# Altium PCB DAC_Sources_REV2.PcbDoc (part 9 of 9)
Units mil, origin at the board's own origin, x right, y up, seen from the top; angles counter-clockwise.
Board outline 10905.51 x 5393.7 mil, 8 copper layers (Top Layer, GND_02, SIG_03, PWR_04, PWR_05, SIG_06, GND_07, Bottom Layer), stack 65.69 mil thick; 663 components, 464 nets, 2338 pads, 2140 vias.
Unrouted connection lines stored in the file: 515.
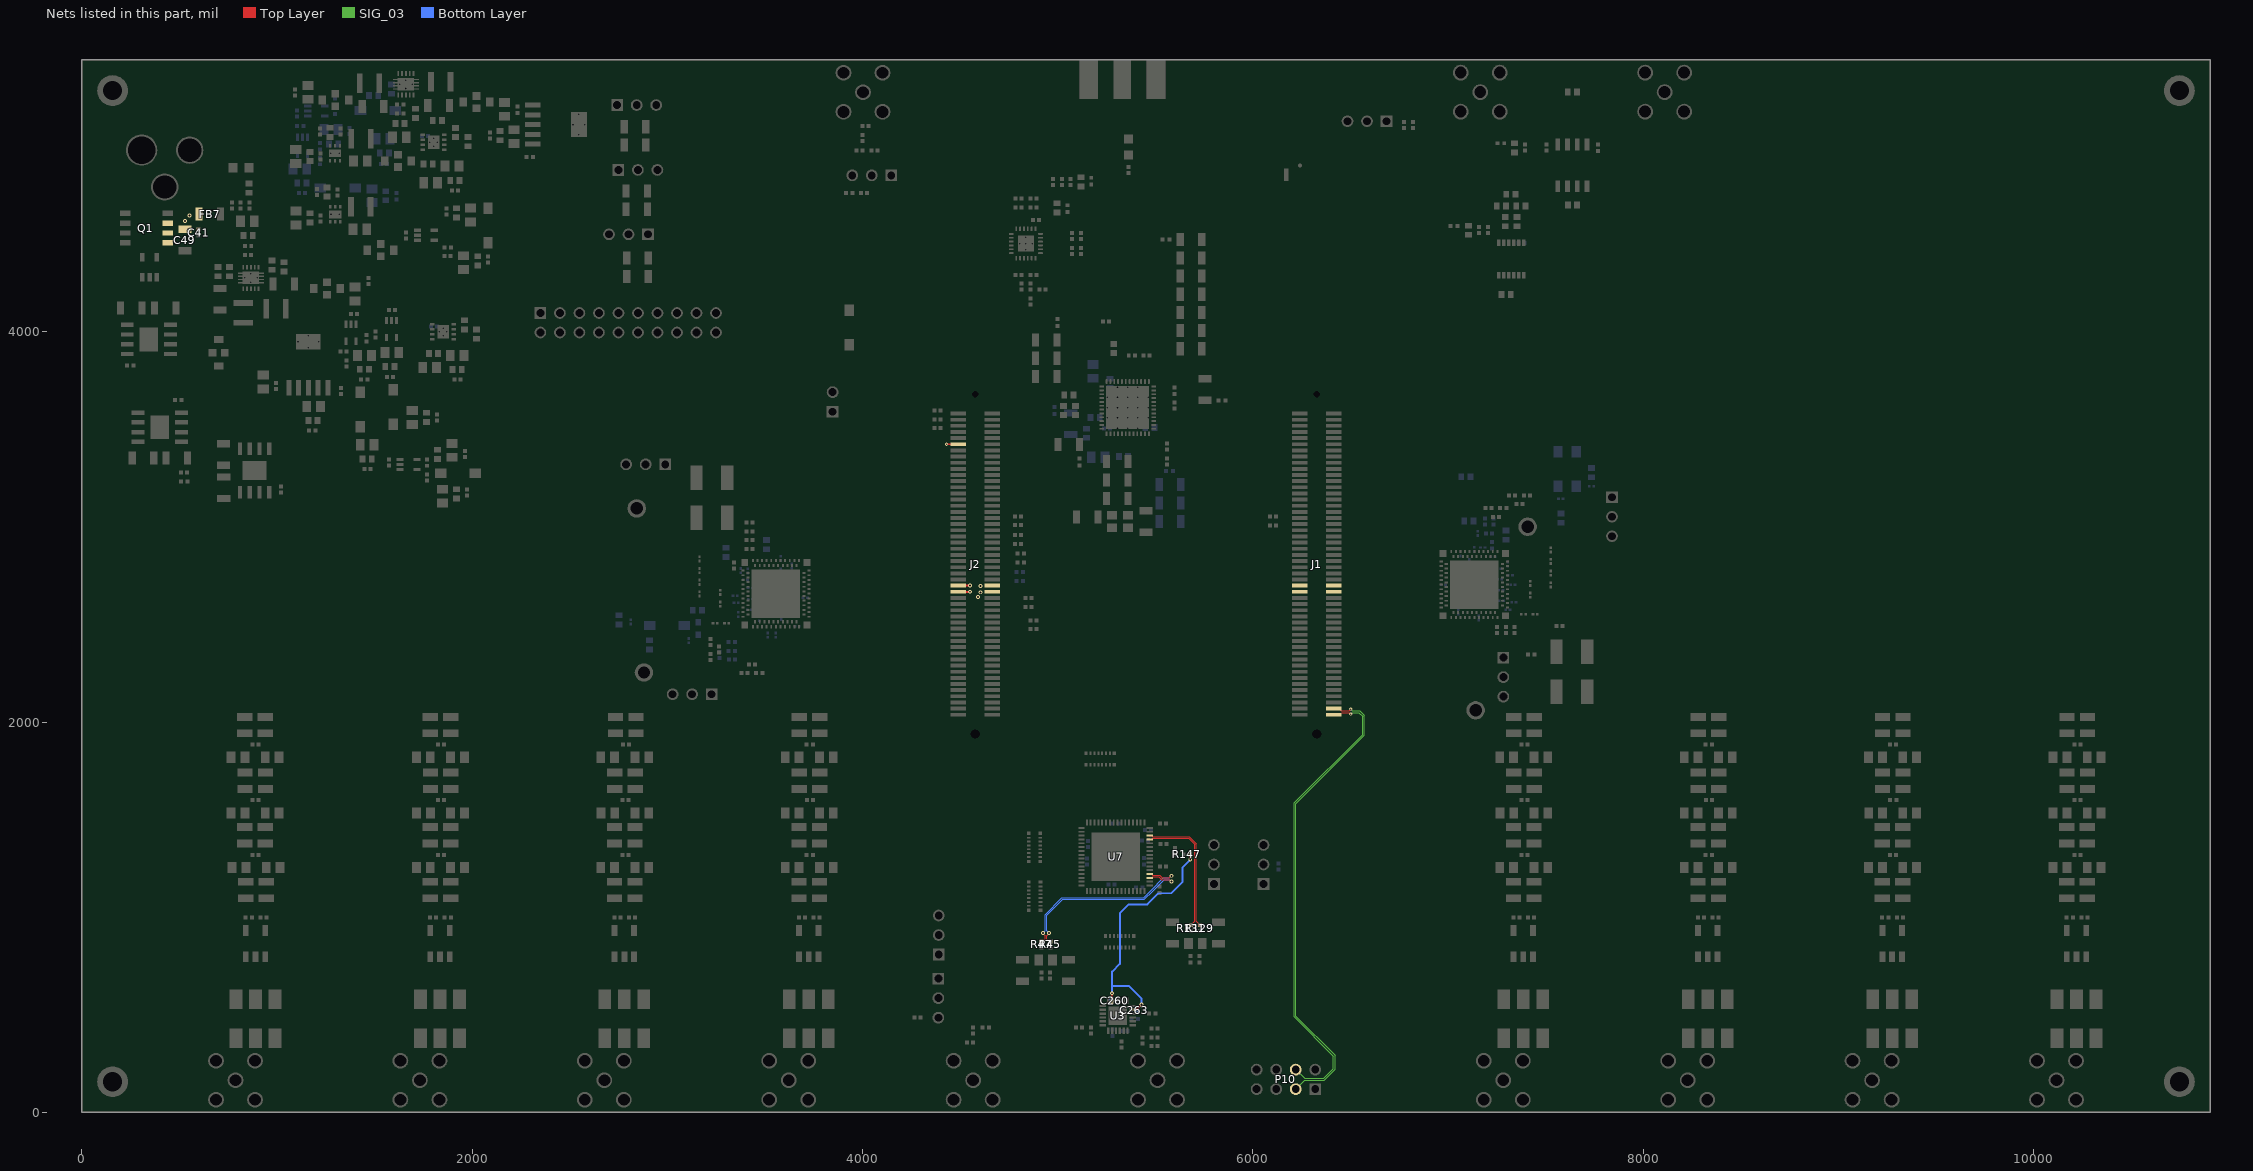
[diagram p15: the nets of this part, all layers, seen from the top]

## Via types
v1: diameter 16, hole 8, Top Layer to Bottom Layer, tented both sides, 1452 vias
v2: diameter 20, hole 10, Top Layer to Bottom Layer, tented both sides, 509 vias
v3: diameter 10, hole 6, Top Layer to Bottom Layer, tented both sides, 65 vias
v4: diameter 23.62, hole 11.81, Top Layer to Bottom Layer, tented top, 59 vias
v5: diameter 24, hole 12, Top Layer to Bottom Layer, tented top, 34 vias
v6: diameter 24, hole 12, Top Layer to Bottom Layer, tented both sides, 15 vias
v7: diameter 23.62, hole 11.81, Top Layer to Bottom Layer, tented both sides, 4 vias
v8: diameter 78.74, hole 39.37, Top Layer to Bottom Layer, tented both sides, 2 vias

## Nets (pads, with @x,y where several pads share a name; then routed paths per layer and width w, separated by ;. In a path a pad name is that pad's centre, name@x,y a point inside that pad or via, vN(x,y) a via of type N, cw(c..) or ccw(c..) an arc to the next point about the centre after c; other vN are vias at no path point) (continued)
VIN_A_N: R47.2 U7.52 | length 1010.4
  Top Layer w5: R47.2@4917.72,877.56 4925.06,884.9 4932.61,884.9 4935.54,887.83 4935.54,896.13 4935.46,896.22 4935.46,905.91 4924.96,916.41 v2(4924.96,920.08) ; U7.52@5472.24,1221.89 5483.24,1221.89 5488.59,1216.55 5522.38,1216.55 5536.62,1202.31 5572.57,1202.31 v2(5583.07,1212.81)
  Bottom Layer w5: v2(4924.96,920.08) 4935.46,930.58 4935.46,1014.36 5021.5,1100.39 5440.55,1100.39 5485.04,1144.88 5537.19,1197.03 5542.46,1202.31 5572.57,1202.31 v2(5583.07,1212.81)
VIN_A_P: R45.2 U7.51 | length 995.5
  Top Layer w5: v2(4954.96,920.08) 4954.96,916.41 4944.46,905.91 4944.46,899.94 4944.54,899.86 4944.54,887.83 4947.47,884.9 4954.47,884.9 R45.2@4962.2,877.17 ; U7.51@5472.24,1202.2 5483.24,1202.2 5488.59,1207.55 5518.65,1207.55 5532.89,1193.31 5572.57,1193.31 v2(5583.07,1182.81)
  Bottom Layer w5: v2(4954.96,920.08) 4944.46,930.58 4944.46,1010.63 5025.22,1091.39 5444.28,1091.39 5488.77,1135.88 5546.19,1193.31 5572.57,1193.31 v2(5583.07,1182.81)
VIN_B_N: R131.2 U7.61 | length 665.4
  Top Layer w5: U7.61@5472.24,1399.06 5483.24,1399.06 5488.59,1404.4 5671.59,1404.4 5702.19,1373.79 5702.19,978.57 5691.99,968.37 R131.2@5684.25,960.63
VIN_B_P: R129.2 U7.62 | length 680.3
  Top Layer w5: U7.62@5472.24,1418.74 5483.24,1418.74 5488.59,1413.4 5675.31,1413.4 5711.19,1377.52 5711.19,978.57 R129.2@5729.13,960.63
VIN_HDR: C41.1 C49.1 FB7.1 J1.57 J1.58 J1.59 J1.60 J2.12 J2.57 J2.58 J2.59 J2.60 Q1.1@439.32,4456.89 Q1.2@439.32,4506.89 Q1.3@439.32,4556.89 | length 180.5
  Top Layer w10: v1@4430.98,3423.9 J2.12@4491.14,3423.9 ; J2.60@4491.14,2667.99 v2@4551.3,2667.99 ; J2.58@4491.14,2699.49 v2@4551.3,2699.49
  other v1: 4430.85,3423.76
  other v2: 4592.13,2640.55 4604.33,2665.35 4551.44,2668.13 4604.33,2696.85 4551.44,2699.63 529.53,4568.9 551.97,4595.28
VOCM_1: C260.1 C263.1 R147.2 U3.11 U3.17 | length 1348
  Top Layer w10: U3.17@5279.53,573.23 v2(5279.53,611.02) ; U3.11@5385.83,525.98 5386.73,526.89 5402.68,526.89 5404.94,529.15 v2(5429.02,553.23) ; R147.2@5678.54,1321.46 5678.54,1296.26 v2(5679.53,1295.28)
  Bottom Layer w10: C260.1@5276.77,573.62 5278.15,575 5278.15,600.94 5279.13,601.93 5279.13,647.64 ; C263.1@5407.09,523.23 5412.32,528.46 5412.32,536.54 v2(5429.02,553.23) 5429.92,554.13 5429.92,583.46 5365.75,647.64 5279.13,647.64 ; v2(5679.53,1295.28) 5638.81,1254.56 5638.81,1180.15 5581.89,1123.23 5516.54,1123.23 5459.45,1066.14 5364.96,1066.14 5318.9,1020.08 5318.9,761.42 5279.13,721.65 5279.13,647.64
VXP0_N: J1.99 P10.4 | length 2435.8
  Top Layer w5: J1.99@6414.37,2038.07 6443.9,2038.07 6451.24,2045.41 6451.24,2045.73 6454.83,2049.32 6493.35,2049.32 v1(6501.85,2040.82)
  SIG_03 w4: P10.4@6219.69,219.69 6265.19,174.19 6362.77,174.19 6412.99,224.41 6412.99,288.98 6211.42,490.55 6211.42,1585.83 6216.69,1591.1 6562.2,1936.61 6562.2,2031.21 6544.09,2049.32 6510.35,2049.32 v1(6501.85,2040.82)
VXP0_P: J1.97 P10.3 | length 2466
  Top Layer w5: J1.97@6414.37,2069.57 6443.9,2069.57 6451.24,2062.22 6451.24,2061.25 6454.17,2058.32 6493.35,2058.32 v1(6501.85,2066.82)
  SIG_03 w4: P10.3@6219.69,119.69 6265.19,165.19 6366.5,165.19 6421.99,220.68 6421.99,292.7 6220.42,494.28 6220.42,1582.1 6571.2,1932.89 6571.2,2034.94 6547.82,2058.32 6510.35,2058.32 v1(6501.85,2066.82)
pads on no net: J1.1 J1.2 J1.3 J1.4 J1.5 J1.6 J1.7 J1.8 J1.9 J1.10 J1.MH1 J2.9 J2.10 J2.11 J2.13 J2.14 J2.100 J2.MH1 Q1.1@436.82,4456.89 Q1.2@436.82,4506.89 Q1.3@436.82,4556.89 Q1.4@436.82,4606.89 Q1.5 Q1.6 Q1.7 Q1.8 SW1.1 SW1.3 SW2.1 SW2.3 U1.C5@3477.56,2579.45 U1.C5@3477.56,2658.19 U1.C5@3477.56,2736.93 U1.C5@3556.3,2579.45 U1.C5@3556.3,2658.19 U1.C5@3556.3,2736.93 U1.C5@3635.04,2579.45 U1.C5@3635.04,2658.19 U1.C5@3635.04,2736.93 U2.13 U2.49@5280.51,3532.87 U2.49@5280.51,3585.24 U2.49@5280.51,3637.6 U2.49@5280.51,3689.96 U2.49@5332.87,3532.87 U2.49@5332.87,3585.24 U2.49@5332.87,3637.6 U2.49@5332.87,3689.96 U2.49@5385.24,3532.87 U2.49@5385.24,3585.24 U2.49@5385.24,3637.6 U2.49@5385.24,3689.96 U2.49@5437.6,3532.87 U2.49@5437.6,3585.24 U2.49@5437.6,3637.6 U2.49@5437.6,3689.96 U4.12 U4.21 U4.22 U4.25@4814.57,4429.53 U4.25@4814.57,4475.2 U4.25@4860.24,4429.53 U4.25@4860.24,4475.2 U5.5 U6.C5@7056.3,2625.98 U6.C5@7056.3,2704.72 U6.C5@7056.3,2783.46 U6.C5@7135.04,2625.98 U6.C5@7135.04,2704.72 U6.C5@7135.04,2783.46 U6.C5@7213.78,2625.98 U6.C5@7213.78,2704.72 U6.C5@7213.78,2783.46 U8.7@1279.92,4914.57 U8.7@1315.35,4914.57 U9.7@1789.37,4918.9 U9.7@1789.37,5024.17 U9.7@1802.17,4971.54 U9.7@1814.96,4918.9 U9.7@1814.96,5024.17 U11.11@808.07,4252.17 U11.11@808.07,4268.31 U11.11@808.07,4284.45 U11.11@808.07,4300.59 U11.11@843.11,4276.38 U11.11@889.96,4276.38 U11.11@925,4252.17 U11.11@925,4268.31 U11.11@925,4284.45 U11.11@925,4300.59 U14.1 U14.3 U16.11@1602.36,5244.29 U16.11@1602.36,5260.43 U16.11@1602.36,5276.57 U16.11@1602.36,5292.72 U16.11@1637.4,5268.5 U16.11@1684.25,5268.5 U16.11@1719.29,5244.29 U16.11@1719.29,5260.43 U16.11@1719.29,5276.57 U16.11@1719.29,5292.72 U22.2 U23.2 U24.2 U25.2 U26.2 U27.2 U28.2 U29.2 U30.4 U32.7@1280.71,4601.57 U32.7@1316.14,4601.57 U33.7@1838.39,3946.97 U33.7@1838.39,4052.24 U33.7@1851.18,3999.61 U33.7@1863.98,3946.97 U33.7@1863.98,4052.24

## Polygon pours and split planes (outlines as drawn)
GND on Top Layer "NONET_L-01_P-001" (solid, remove dead copper, pour order 117): 2020.04,4585.59 2004.49,4601.14 1890.59,4601.14 1879.65,4612.09 1855.79,4612.09 1847.99,4604.29 1847.99,4548.94 1858.11,4538.82 2020.79,4538.82 2024.02,4542.05 2024.02,4581.61
GND on Top Layer "NONET_L-01_P-001" (solid, remove dead copper, pour order 116): 1972.8,3379.84 1972.8,3456.77 1940.59,3488.98 1859.33,3488.98 1804.25,3433.9 1804.25,3382.4 1807.05,3379.61 1840.2,3379.61 1864.84,3404.25 1929.29,3404.25 1952.8,3380.75 1952.8,3379.13
GND on Top Layer "GND_L01_P032" (solid, remove dead copper, pour order 32): 31 vertices, not listed, extent 1526.77,4962.2 1798.82,5300.79
6V on Top Layer "Top Layer-6V" (solid, remove dead copper, pour order 7): 45 vertices, not listed, extent 681.89,4314.96 1306.69,4895.67
NetC97_1 on Top Layer "NONET_L-01_P-001" (solid, remove dead copper, pour order 110): 1738.15,4512.83 1686.22,4512.83 1671.81,4498.43 1652.2,4498.43 1630.08,4520.55 1630.08,4553.35 1637.05,4560.32 1710.12,4560.32 1738.27,4532.17 1738.27,4528.46
1.2VDIGI_DAC1 on Top Layer "NONET_L-01_P-001" (solid, remove dead copper, pour order 108): 1875.59,3225.59 1890.16,3211.02 2037.4,3211.02 2046.06,3202.36 2046.06,3191.34 2036.22,3181.5 1942.52,3181.5 1931.5,3170.47 1812.99,3170.47 1803.15,3180.31 1803.15,3300.39 1809.06,3306.3 1872.05,3306.3 1875.59,3302.76
NetC290_2 on Top Layer "NONET_L-01_P-001" (solid, remove dead copper, pour order 107): 19 vertices, not listed, extent 1693.7,3237.8 2057.09,3381.89
NetC62_1 on Top Layer "NETC62_1_L01_P053" (solid, remove dead copper, pour order 53): 29 vertices, not listed, extent 1297.64,4012.2 1622.05,4254.72
1.2VDIGI_DAC2 on Top Layer "NONET_L-01_P-001" (solid, remove dead copper, pour order 104): 1842.13,4616.54 1847.24,4621.65 1948.82,4621.65 1959.06,4611.42 2038.19,4611.42 2052.76,4596.85 2099.21,4596.85 2112.2,4609.84 2112.2,4659.45 2098.82,4672.83 1825.59,4672.83 1811.81,4659.06 1811.81,4622.05 1817.32,4616.54
GND on Top Layer "NONET_L-01_P-001" (solid, remove dead copper, pour order 103): 1996.85,4342.52 2009.45,4355.12 2045.28,4355.12 2059.45,4340.94 2059.45,4279.53 2032.28,4252.36 1936.61,4252.36 1918.5,4270.47 1918.5,4336.61 1924.41,4342.52
NetC326_2 on Top Layer "NONET_L-01_P-001" (solid, remove dead copper, pour order 102): 1801.97,4526.38 1789.37,4513.78 1814.17,4488.98 1901.18,4488.98 1927.56,4462.6 1927.56,4366.14 1932.68,4361.02 2001.18,4361.02 2011.81,4371.65 2094.88,4371.65 2110.63,4387.4 2110.63,4485.83 2097.64,4498.82 1955.91,4498.82 1928.35,4526.38
NetC302_2 on Top Layer "Top Layer-NetC291_2" (solid, remove dead copper, pour order 20): 31 vertices, not listed, extent 1577.56,3780.32 1826.38,4446.85
VIN_HDR on Top Layer "VIN_HDR_L01_P101" (solid, remove dead copper, pour order 101): 4647.24,2709.84 4597.64,2709.84 4592.52,2704.72 4592.52,2657.09 4580.31,2644.88 4580.31,2631.89 4584.25,2627.95 4602.76,2627.95 4614.57,2639.76 4614.57,2655.91 4618.5,2659.84 4666.54,2659.84 4666.54,2707.87
1.2VCLK_DAC1 on Top Layer "1.2VCLK_DAC1_L01_P100" (solid, remove dead copper, pour order 100): 1400.39,3548.03 1364.17,3511.81 1364.17,3291.73 1370.47,3285.43 1452.36,3285.43 1458.27,3291.34 1458.27,3542.13 1452.36,3548.03
GND on Top Layer "GND_L01_P097" (solid, remove dead copper, pour order 97): 1184.65,5231.1 1196.06,5242.52 1196.06,5283.86 1163.39,5316.54 1086.22,5316.54 1061.42,5291.73 1061.42,5253.54 1083.86,5231.1
1.8V_DRVDD on Top Layer "1.8V_DRVDD_L01_P073" (solid, remove dead copper, pour order 73): 795.28,3211.81 750.79,3167.32 688.58,3167.32 679.92,3158.66 679.92,3093.31 692.52,3080.71 821.65,3080.71 877.17,3136.22 877.17,3205.12 870.47,3211.81
6V on Top Layer "6V_L01_P072" (solid, remove dead copper, pour order 72): 866.14,3361.42 873.23,3368.5 873.23,3435.43 844.09,3464.57 801.18,3464.57 779.13,3486.61 691.73,3486.61 680.71,3475.59 680.71,3409.45 687.01,3403.15 745.28,3403.15 787.01,3361.42
1.8V_AVDD on Top Layer "1.8V_AVDD_L01_P071" (solid, remove dead copper, pour order 71): 478.74,3359.84 529.92,3308.66 529.92,3222.44 570.87,3222.44 586.22,3237.8 586.22,3475.2 558.27,3503.15 485.43,3503.15 478.74,3496.46
6V on Top Layer "6V_L01_P070" (solid, remove dead copper, pour order 70): 279.92,3316.93 324.41,3361.42 324.41,3499.61 318.9,3505.12 248.82,3505.12 190.55,3446.85 190.55,3337.01 210.63,3316.93
GND on Top Layer "GND_L01_P068" (solid, remove dead copper, pour order 68): 5798.82,3870.87 5722.44,3870.87 5713.39,3879.92 5713.39,4503.54 5718.11,4508.27 5761.81,4508.27 5805.91,4464.17 5805.91,3877.95
GND on Top Layer "GND_L01_P067" (solid, remove dead copper, pour order 67): 441.34,3222.44 512.2,3222.44 520.08,3230.32 520.08,3288.19 449.61,3358.66 450,3379.13 450,3562.6 440.94,3571.65 381.89,3571.65 347.24,3537.01 347.24,3316.54
3.3V_AVDD on Top Layer "3.3V_AVDD_L01_P066" (solid, remove dead copper, pour order 66): 264.96,4049.21 224.8,4089.37 224.8,4152.76 211.42,4166.14 157.09,4166.14 135.43,4144.49 135.43,4006.3 176.38,3965.35 258.27,3965.35 264.96,3972.05
6V on Top Layer "6V_L01_P065" (solid, remove dead copper, pour order 65): 505.51,3984.25 491.34,3970.08 424.41,3970.08 412.99,3981.5 412.99,4044.49 457.09,4088.58 457.09,4186.22 464.57,4193.7 508.27,4193.7 514.17,4187.8 514.17,4166.93 505.51,4158.27
GND on Top Layer "GND_L01_P064" (solid, remove dead copper, pour order 64): 388.58,4160.24 397.64,4151.18 397.64,3902.36 386.22,3890.94 301.57,3890.94 289.37,3903.15 289.37,4075.98 279.53,4085.83 279.53,4154.72 285.04,4160.24
GND on Top Layer "GND_L01_P063" (solid, remove dead copper, pour order 63): 1174.41,3738.19 1166.54,3746.06 1157.09,3746.06 1148.03,3737.01 1148.03,3664.96 1118.5,3635.43 1118.5,3475.59 1123.23,3470.87 1164.96,3470.87 1174.41,3480.32
3.3VA_DAC1 on Top Layer "3.3VA_DAC1_L01_P062" (solid, remove dead copper, pour order 62): 1197.24,3753.15 1197.24,3572.83 1185.04,3560.63 1185.04,3478.74 1190.94,3472.83 1239.76,3472.83 1266.93,3500 1266.93,3625.59 1222.05,3670.47 1222.05,3707.48
NetC50_3 on Top Layer "NETC50_3_L01_P061" (solid, remove dead copper, pour order 61): 18 vertices, not listed, extent 661.81,3679.53 1124.8,3846.46
GND on Top Layer "GND_L01_P060" (solid, remove dead copper, pour order 60): 729.53,4273.39 729.53,4292.52 744.88,4307.87 853.94,4307.87 847.24,4301.18 847.24,4246.46 784.25,4246.46 738.58,4200.79 668.11,4200.79 655.91,4212.99 655.91,4239.37 664.17,4247.64 703.78,4247.64
NetC50_1 on Top Layer "NETC50_1_L01_P059" (solid, remove dead copper, pour order 59): 794.49,3938.58 673.23,3938.58 656.3,3955.51 656.3,4049.21 664.17,4057.09 664.17,4128.74 672.05,4136.61 740.55,4136.61 742.52,4134.65 742.52,4108.66 774.41,4076.77 887.8,4076.77 887.8,4031.89
NetL2_1 on Top Layer "NETL2_1_L01_P058" (solid, remove dead copper, pour order 58): 833.07,4233.07 833.07,4176.77 848.03,4161.81 848.03,4146.85 836.61,4135.43 819.29,4135.43 807.87,4146.85 807.87,4219.29 821.65,4233.07
NetL3_1 on Top Layer "NETL3_1_L01_P057" (solid, remove dead copper, pour order 57): 901.97,4231.89 901.97,4208.66 929.92,4180.71 929.92,4058.66 974.8,4058.66 974.8,4178.35 920.47,4232.68 907.09,4232.68
GND on Top Layer "GND_L01_P056" (solid, remove dead copper, pour order 56): 1479.13,3457.48 1466.93,3445.28 1466.93,3286.61 1501.18,3252.36 1525.2,3252.36 1551.97,3279.13 1551.97,3435.04 1529.53,3457.48
NetC71_2 on Top Layer "NETC71_2_L01_P054" (solid, remove dead copper, pour order 54): 1416.14,3971.26 1435.04,3952.36 1435.04,3775.98 1442.52,3768.5 1442.52,3735.43 1454.33,3723.62 1454.33,3659.45 1445.67,3650.79 1405.91,3650.79 1389.37,3667.32 1389.37,3966.54 1394.09,3971.26
NetC61_1 on Top Layer "NETC61_1_L01_P052" (solid, remove dead copper, pour order 52): 1168.9,4279.92 1207.87,4240.94 1207.87,4190.94 1071.65,4054.72 1018.9,4054.72 1014.96,4058.66 1014.96,4188.98 1060.63,4234.65 1060.63,4271.65 1068.9,4279.92
GND on Top Layer "GND_L01_P050" (solid, remove dead copper, pour order 50): 853.94,4307.87 930.71,4307.87 958.27,4335.43 992.52,4335.43 1002.36,4325.59 1002.36,4214.17 994.88,4206.69 958.66,4206.69 918.9,4246.46 905.51,4246.46
NetC97_1 on Top Layer "NETC97_1_L01_P047" (solid, remove dead copper, pour order 47): 1115.35,5211.81 1103.94,5223.23 1079.53,5223.23 1068.9,5233.86 1053.54,5233.86 1044.88,5225.2 1044.88,5183.07 1067.32,5160.63 1248.03,5160.63 1256.3,5168.9 1256.3,5207.48 1251.97,5211.81
3.3VA_DAC2 on Top Layer "3.3VA_DAC2_L01_P038" (solid, remove dead copper, pour order 38): 18 vertices, not listed, extent 2059.06,4919.68 2357.09,5024.8
GND on Top Layer "GND_L01_P037" (solid, remove dead copper, pour order 37): 2262.6,5076.38 2244.49,5094.49 2244.49,5130.71 2241.73,5133.46 2140.94,5133.46 2074.02,5066.54 2074.02,5017.72 2081.1,5010.63 2241.34,5010.63 2274.41,5043.7 2350.39,5043.7 2358.66,5051.97 2358.66,5070.08 2352.36,5076.38
NetC85_3 on Top Layer "NETC85_3_L01_P036" (solid, remove dead copper, pour order 36): 2168.5,5152.76 2212.2,5152.76 2221.26,5143.7 2261.42,5143.7 2270.87,5134.25 2270.87,5096.06 2273.23,5093.7 2368.9,5093.7 2373.62,5098.43 2373.62,5201.57 2361.02,5214.17 2070.08,5214.17 2063.78,5207.87 2063.78,5155.91 2067.32,5152.36
3.3VCLK on Top Layer "3.3VCLK_L01_P035" (solid, remove dead copper, pour order 35): 20 vertices, not listed, extent 1845.28,4701.18 1994.09,4971.54
GND on Top Layer "GND_L01_P034" (solid, remove dead copper, pour order 34): 20 vertices, not listed, extent 1772.44,4701.57 1907.09,5004.72
NetC37_2 on Top Layer "NETC37_2_L01_P033" (solid, remove dead copper, pour order 33): 20 vertices, not listed, extent 1661.81,4717.32 1787.4,4968.5
NetC85_1 on Top Layer "NETC85_1_L01_P031" (solid, remove dead copper, pour order 31): 1925.59,5356.69 1974.02,5308.27 1974.02,5152.76 1965.75,5144.49 1857.48,5144.49 1835.43,5166.54 1835.43,5350.39 1841.73,5356.69
6V on Top Layer "6V_L01_P030" (solid, remove dead copper, pour order 30): 1696.22,5036.85 1671.65,5061.42 1671.65,5197.64 1667.32,5201.97 1667.32,5226.38 1661.42,5232.28 1638.98,5232.28 1633.07,5226.38 1633.07,4962.99 1656.3,4939.76 1689.37,4939.76 1696.22,4946.61
NetC34_1 on Top Layer "NETC34_1_L01_P029" (solid, remove dead copper, pour order 29): 1450.39,5048.82 1499.61,5048.82 1521.26,5027.17 1521.26,4914.17 1534.65,4900.79 1572.05,4900.79 1576.38,4896.46 1576.38,4849.61 1568.5,4841.73 1442.91,4841.73 1433.46,4851.18 1433.46,4924.02 1440.55,4931.1 1439.37,4932.28 1439.37,5037.8
GND on Top Layer "GND_L01_P028" (solid, remove dead copper, pour order 28): 28 vertices, not listed, extent 1077.99,4837.4 1418.11,4964.57
NetC64_2 on Top Layer "NETC64_2_L01_P027" (solid, remove dead copper, pour order 27): 1648.82,3683.07 1631.5,3665.75 1574.8,3665.75 1566.54,3674.02 1566.54,3726.77 1585.04,3745.28 1585.04,3975.98 1604.72,3995.67 1630.71,3995.67 1648.82,3977.56
GND on Top Layer "GND_L01_P026" (solid, remove dead copper, pour order 26): 1518.9,3924.8 1505.12,3911.02 1462.2,3911.02 1452.36,3901.18 1452.36,3741.34 1471.26,3722.44 1549.21,3722.44 1574.8,3748.03 1574.8,3924.41 1575.2,3924.8
GND on Top Layer "GND_L01_P025" (solid, remove dead copper, pour order 25): 1827.95,3620.87 1859.84,3588.98 1859.84,3572.83 1852.76,3565.75 1665.35,3565.75 1648.82,3582.28 1648.82,3611.02 1658.66,3620.87
1.2VDAC1 on Top Layer "1.2VDAC1_L01_P024" (solid, remove dead copper, pour order 24): 1696.46,3484.65 1681.89,3470.08 1576.77,3470.08 1562.2,3484.65 1562.2,3552.76 1568.5,3559.06 1854.33,3559.06 1862.99,3550.39 1862.99,3533.86 1813.78,3484.65
VCCO_13 on Top Layer "VCCO_13_L01_P022" (solid, remove dead copper, pour order 22): 17 vertices, not listed, extent 1894.88,3736.22 2020.08,3995.67
GND on Top Layer "GND_L01_P021" (solid, remove dead copper, pour order 21): 1918.11,3900.39 1879.53,3938.98 1879.53,3979.13 1829.53,3979.13 1822.44,3972.05 1822.44,3935.43 1807.48,3920.47 1807.48,3862.99 1792.91,3848.43 1792.91,3752.36 1813.78,3731.5 1907.87,3731.5 1918.11,3741.73
NetC295_1 on Top Layer "NETC295_1_L01_P016" (solid, remove dead copper, pour order 16): 18 vertices, not listed, extent 1233.86,4389.37 1500.79,4766.3
GND on Top Layer "GND_L01_P015" (solid, remove dead copper, pour order 15): 20 vertices, not listed, extent 1143.31,4482.68 1415.75,4624.41
NetC96_1 on Top Layer "NETC96_1_L01_P014" (solid, remove dead copper, pour order 14): 1475.98,5170.08 1454.72,5148.82 1346.46,5148.82 1340.55,5154.72 1340.55,5327.95 1385.43,5372.83 1470.08,5372.83 1475.98,5366.93
GND on Top Layer "GND_L01_P013" (solid, remove dead copper, pour order 13): 846.46,4611.81 851.57,4616.93 862.99,4616.93 868.9,4622.83 868.9,4641.34 866.93,4643.31 758.27,4643.31 741.1,4626.14 741.1,4536.06 790.94,4486.22 790.94,4387.8 803.94,4374.8 839.37,4374.8 846.46,4381.89
GND on Top Layer "GND_L01_P012" (solid, remove dead copper, pour order 12): 4911.02,3925.98 4911.02,3988.19 4893.7,4005.51 4833.86,4005.51 4796.46,3968.11 4796.46,3801.18 4868.9,3728.74 4904.33,3728.74 4911.42,3735.83
3.3VCLK on Top Layer "3.3VCLK_L01_P009" (solid, remove dead copper, pour order 9): 5551.18,4514.57 5544.88,4520.87 5511.02,4520.87 5489.76,4499.61 5489.76,4469.29 5503.54,4455.51 5542.52,4455.51 5551.18,4464.17
VCC_OUT on Top Layer "VCC_OUT_L01_P008" (solid, remove dead copper, pour order 8): 5648.43,4510.63 5651.97,4507.09 5651.97,3851.57 5635.43,3835.04 5561.42,3835.04 5545.67,3850.79 5545.67,3907.48 5570.08,3931.89 5570.08,4452.76 5559.84,4462.99 5559.84,4489.37 5581.1,4510.63
GND on Top Layer "GND_L01_P004" (solid, remove dead copper, pour order 4): 585.43,4437.8 594.09,4429.13 594.09,4374.8 573.23,4353.94 507.09,4353.94 487.4,4373.62 487.4,4431.89 493.31,4437.8
VIN_HDR on Top Layer "VIN_HDR_L01_P003" (solid, remove dead copper, pour order 3): 19 vertices, not listed, extent 398.43,4437.8 633.46,4642.52
V+U5 on Top Layer "V+U5_L01_P001" (solid, remove dead copper, pour order 1): 7096.85,4527.95 7047.64,4527.95 7037.4,4538.19 7037.4,4554.33 7046.06,4562.99 7239.76,4562.99 7245.67,4557.09 7245.67,4544.88 7229.13,4528.35 7210.24,4528.35
VCC_DS on Top Layer "VCC_DS_L01_P000" (solid, remove dead copper, pour order 0): 7277.95,4955.51 7283.46,4950 7562.6,4950 7575.98,4963.39 7575.98,4990.94 7571.26,4995.67 7535.43,4995.67 7522.05,4982.28 7271.65,4982.28 7270.87,4981.5 7270.87,4962.6
NetJ6_3 on Bottom Layer "NONET_L-01_P-001" (solid, remove dead copper, pour order 114): 632.52,5066.81 144.88,5066.81 72.05,4993.98 72.05,4510.63 184.29,4398.39 314.57,4398.39 423.39,4507.2 423.39,4595.47 487.68,4659.76 575.12,4659.76 659.09,4743.74 659.09,5040.47 632.72,5066.85
GND on Bottom Layer "GND_L08_P046" (solid, remove dead copper, pour order 46): 1458.27,4689.76 1451.57,4683.07 1451.57,4640.55 1482.68,4609.45 1640.16,4609.45 1646.46,4615.75 1646.46,4642.13 1626.38,4662.2 1626.38,4687.01 1623.62,4689.76
VIN_HDR on Bottom Layer "VIN_HDR_L08_P078" (solid, remove dead copper, pour order 78): 17 vertices, not listed, extent 452.36,2630.31 4626.77,4614.57
NetC106_2 on Bottom Layer "NETC106_2_L08_P043" (solid, remove dead copper, pour order 43): 22 vertices, not listed, extent 1096.85,4697.64 1264.17,4928.35
NetC97_1 on Bottom Layer "NETC97_1_L08_P042" (solid, remove dead copper, pour order 42): 20 vertices, not listed, extent 1044.88,4974.41 1182.68,5233.86
3.3VCLK on Bottom Layer "3.3VCLK_L08_P076" (solid, remove dead copper, pour order 76): 28 vertices, not listed, extent 1955.12,3626.77 7286.61,5034.65
3.3VCLK_PECL on Bottom Layer "3.3VCLK_PECL_L08_P075" (solid, remove dead copper, pour order 75): 21 vertices, not listed, extent 4706.3,4329.92 5098.03,4830.71
IOVDD_DAC2 on Bottom Layer "IOVDD_DAC2_L08_P069" (solid, remove dead copper, pour order 69): 7752.76,3270.47 7659.84,3270.47 7633.07,3243.7 7633.07,3178.74 7637.4,3174.41 7688.98,3174.41 7717.72,3203.15 7731.5,3203.15 7731.5,3220.08 7752.36,3240.94
GND on Bottom Layer "GND_L08_P049" (solid, remove dead copper, pour order 49): 1528.35,5020.47 1534.65,5014.17 1534.65,4942.91 1543.31,4934.25 1543.31,4833.86 1546.46,4830.71 1546.46,4814.96 1542.52,4811.02 1504.33,4811.02 1474.02,4841.34 1474.02,5008.66 1485.83,5020.47
1.2VDAC2 on Bottom Layer "1.2VDAC2_L08_P048" (solid, remove dead copper, pour order 48): 1554.72,5139.37 1575.2,5159.84 1633.46,5159.84 1635.83,5157.48 1635.83,5051.18 1602.36,5017.72 1602.36,4959.84 1588.98,4946.46 1588.98,4794.09 1580.32,4785.43 1569.29,4785.43 1558.27,4796.46 1558.27,4846.06 1554.72,4849.61
1.2VCLK_DAC2 on Bottom Layer "1.2VCLK_DAC2_L08_P045" (solid, remove dead copper, pour order 45): 1450.39,4712.99 1457.87,4705.51 1593.7,4705.51 1598.43,4700.79 1631.1,4700.79 1646.06,4685.83 1662.99,4685.83 1674.8,4697.64 1674.8,4729.92 1638.19,4766.54 1375.59,4766.54 1360.24,4751.18 1360.24,4719.29 1366.54,4712.99
GND on Bottom Layer "GND_L08_P044" (solid, remove dead copper, pour order 44): 1121.65,4780.12 1109.96,4791.81 1109.96,4863.39 1071.26,4863.39 1041.34,4833.46 1041.34,4738.58 1087.4,4692.52 1114.57,4692.52 1121.65,4699.61
GND on Bottom Layer "GND_L08_P041" (solid, remove dead copper, pour order 41): 19 vertices, not listed, extent 1128.74,4950.79 1263.39,5088.58
GND on Bottom Layer "GND_L08_P040" (solid, remove dead copper, pour order 40): 1281.1,4973.62 1281.1,4930.71 1287.8,4924.02 1328.74,4924.02 1339.76,4912.99 1339.76,4903.94 1327.56,4891.73 1327.17,4892.13 1267.72,4892.13 1251.18,4908.66 1251.18,4970.87 1259.06,4978.74
NetC99_2 on Bottom Layer "NETC99_2_L08_P039" (solid, remove dead copper, pour order 39): 22 vertices, not listed, extent 1218.11,4937.01 1468.5,5167.72
3.3VA_DAC1 on SIG_06 "3.3VA_DAC1_L06_P091" (solid, remove dead copper, pour order 91): 17 vertices, not listed, extent 1208.66,2552.36 3426.38,3537.01
1.8V_AVDD on SIG_06 "1.8V_AVDD_L06_P092" (solid, remove dead copper, pour order 92): 25 vertices, not listed, extent 273.23,808.27 5557.87,3303.15
6V on SIG_06 "6V_L06_P094" (solid, remove dead copper, pour order 94): 537.4,5381.5 19.29,4863.39 19.29,3437.4 173.23,3283.46 467.32,3283.46 571.26,3387.4 931.1,3387.4 1391.34,3847.64 1391.34,4865.75 1435.83,4910.24 1686.22,4910.24 1744.88,4968.9 1744.88,5344.49 1707.87,5381.5
IOVDD_DAC1 on SIG_06 "IOVDD_DAC1_L06_P090" (solid, remove dead copper, pour order 90): 2987.4,2436.22 2999.21,2424.41 3474.45,2424.41 3509.84,2459.8 3509.84,2768.27 3552.99,2811.42 3703.54,2811.42 3751.18,2763.78 3751.18,2526.77 3474.41,2250 2997.24,2250 2837.01,2410.24 2837.01,2424.41 2848.82,2436.22
3.3V_LOGIC on SIG_06 "3.3V_LOGIC_L06_P083" (solid, remove dead copper, pour order 83): 19 vertices, not listed, extent 3828.35,2190.71 7340.55,4019.68
1.2VDAC2 on SIG_06 "SIG_06-1.2VDAC2" (solid, remove dead copper, pour order 86): 31 vertices, not listed, extent 1558.27,2603.94 7628.74,4845.28
1.2VDIGI_DAC1 on SIG_06 "NONET_L-01_P-001" (solid, remove dead copper, pour order 109): 1993.66,3177.56 2044.88,3177.56 2051.57,3184.25 2051.57,3213.39 2046.85,3218.11 1990.94,3218.11 1979.92,3207.09 1979.92,3191.3
3.3VA_DAC2 on SIG_06 "3.3VA_DAC2_L06_P082" (solid, remove dead copper, pour order 82): 19 vertices, not listed, extent 1984.65,2878.35 7780.71,5088.98
VCCO_34 on SIG_06 "NONET_L-01_P-001" (solid, remove dead copper, pour order 106): 20 vertices, not listed, extent 4361.02,2227.17 6375.2,2409.06
1.2VDIGI_DAC2 on SIG_06 "NONET_L-01_P-001" (solid, remove dead copper, pour order 105): 1817.32,4674.02 1840.94,4674.02 1855.91,4659.06 1855.91,4612.2 1851.18,4607.48 1820.47,4607.48 1809.84,4618.11 1809.84,4666.54
VCC_OUT on SIG_06 "VCC_OUT_L06_P077" (solid, remove dead copper, pour order 77): 21 vertices, not listed, extent 5262.6,3431.5 5643.7,3869.59
VDD on SIG_06 "VDD_L06_P074" (solid, remove dead copper, pour order 74): 4858.27,4621.65 5040.16,4621.65 5062.2,4599.61 5062.2,4564.17 5001.97,4503.94 5001.97,4405.51 4951.97,4355.51 4927.95,4355.51 4850.79,4432.68 4850.79,4614.17
1.2VDIGI_DAC1 on SIG_03 "1.2VDIGI_DAC1_L03_P089" (solid, remove dead copper, pour order 89): 3544.49,2836.38 3637.11,2836.38 3642.91,2830.57 3642.91,2488.98 3628.35,2474.41 3544.42,2474.41 3475.59,2543.24 3475.59,2777.17 3486.22,2787.8 3538.29,2787.8 3544.49,2794 3544.49,2821.65
NetJ6_3 on SIG_03 "NONET_L-01_P-001" (solid, remove dead copper, pour order 115): 632.52,5066.81 144.88,5066.81 72.05,4993.98 72.05,4510.63 184.29,4398.39 314.57,4398.39 423.39,4507.2 423.39,4595.47 487.68,4659.76 575.12,4659.76 659.09,4743.74 659.09,5040.47 632.72,5066.85
NetC97_1 on SIG_03 "NONET_L-01_P-001" (solid, remove dead copper, pour order 113): 1039.7,5191.75 1039.7,5240.53 1047.97,5248.8 1073.72,5248.8 1081.39,5241.12 1081.39,5193.66 1073.22,5185.49 1045.41,5185.49 1039.58,5191.32
NetC97_1 on SIG_03 "NONET_L-01_P-001" (solid, remove dead copper, pour order 112): 1636.34,4570.47 1685.12,4570.47 1693.39,4562.2 1693.39,4536.46 1685.71,4528.78 1638.25,4528.78 1630.08,4536.95 1630.08,4564.76 1635.91,4570.59
1.2VDAC1 on SIG_03 "1.2VDAC1_L03_P081" (solid, remove dead copper, pour order 81): 27 vertices, not listed, extent 3284.65,2551.57 3399.61,2820.71
3.3VA_DAC2 on SIG_03 "3.3VA_DAC2_L03_P080" (solid, remove dead copper, pour order 80): 7281.1,2592.09 7308.62,2592.09 7328.18,2611.65 7328.18,2902.13 7318.11,2912.2 7278.88,2912.2 7274.8,2908.13 7274.8,2598.39
GND on PWR_05 "GND_L05_P099" (solid, remove dead copper, pour order 99): 0,0 0,5393.7 10905.51,5393.7 10905.51,0
IOVDD_DAC2 on PWR_05 "IOVDD_DAC2_L05_P084" (solid, remove dead copper, pour order 84): 6944.09,2727.56 6944.09,2639.37 7054.09,2529.37 7381.34,2529.37 7798.43,2946.46 7798.43,3267.72 7762.2,3303.94 7373.33,3303.94 6930.07,2860.67 6930.07,2741.59
VCCO_13 on PWR_05 "VCCO_13_L05_P088" (solid, remove dead copper, pour order 88): 20 vertices, not listed, extent 1952.17,2025.98 6385.43,4327.17
1.8V_DRVDD on PWR_05 "1.8V_DRVDD_L05_P093" (solid, remove dead copper, pour order 93): 21 vertices, not listed, extent 326.77,1099.61 5885.04,3154.33
GND on PWR_04 "GND_L04_P098" (solid, remove dead copper, pour order 98): 0,0 0,5393.7 10905.51,5393.7 10905.51,0
1.2VDIGI_DAC2 on PWR_04 "1.2VDIGI_DAC2_L04_P087" (solid, remove dead copper, pour order 87): 20 vertices, not listed, extent 7049.61,2527.32 7194.09,3314.49
GND on GND_02 "GND_L02_P095" (solid, remove dead copper, pour order 95): 0,0 0,5393.7 10905.51,5393.7 10905.51,0
GND on GND_07 "GND_L07_P096" (solid, remove dead copper, pour order 96): 0,0 0,5393.7 10905.51,5393.7 10905.51,0

## Other copper
Top Layer:
  rectangle net NetJ6_3: 298.15,4373.98 321.65,4468.86
  rectangle net GND: 1607.73,4467.76 1670.43,4486.77
  region net GND: 2601.97,5366.54 2601.97,4724.02 2681.89,4724.02 2681.89,5366.54
  rectangle net GND: 2132.28,4724.02 2681.89,4825.59
  region net GND: 2132.28,4825.59 2132.28,2930.71 2276.77,2930.71 2276.77,4825.59
  rectangle net GND: 25.59,2930.71 2274.8,3061.81
  rectangle net VIN_HDR: 4666.54,2659.84 6452.76,2707.87
  rectangle net GND: 693.7,3242.52 905.51,3335.83
  rectangle net GND: 901.18,3765.35 958.27,3828.74
  rectangle net NetL4_1: 1696.06,5311.81 1783.07,5335.43
  rectangle net NetL1_1: 1318.11,4944.49 1383.46,4961.42
  rectangle net NetL70_1: 1318.5,4631.89 1377.95,4648.43
  rectangle net GND: 1073.62,4614.17 1120.87,4669.68
  rectangle net NetL5_1: 1529.53,5312.2 1622.05,5333.07
  text "COMPONENT SIDE" at 1227.22,-1186.81 h63
GND_02:
  text "GND_02" at 1227.56,-1187.01 h63
SIG_03:
  text "SIG_03" at 1227.56,-1187.01 h63
SIG_06:
  rectangle net 1.2VCLK_DAC2: 1643.7,4698.03 1662.2,4725.2
  text "SIG_06" at 1229.92,-1187.8 h63
GND_07:
  text "GND_07" at 1229.13,-1187.4 h63
PWR_04:
  text "PWR_04" at 1231.1,-1187.01 h63
PWR_05:
  text "PWR_05" at 1230.71,-1188.19 h63
Bottom Layer:
  rectangle net PLL_AVDD_DAC2: 7559.84,3150.39 7574.02,3208.27
  text "PRINT SIDE" at 1232.28,-1187.4 h63
Multi-Layer:
  drawing of 399 lines, arcs and shapes, not listed

## Silkscreen, mask and mechanical layers (free items; w line width, h text height)
Top Overlay:
  lines w5: 4228.27,873.78 4228.27,945.39
  lines w10: 3246.57,4886.3 3247.24,4885.63 ; 3458.82,1969.17 3198.78,1969.17 3198.78,1789.92 3461.18,1789.92 3461.18,1966.81 ; 3599.65,3637.87 3732.13,3637.87 ; 3777.36,3715.51 3371.06,3715.51 3371.06,3706.89 3371.06,3565.39 3371.69,3564.76 3780.98,3564.76 3780.98,3711.89 ; 4239.92,4957.68 4239.92,5149.41 ; 4240.59,4957.01 4734.33,4957.01 4734.33,5150.12 4240.63,5150.12 ; 5835.24,4942.56 5835.24,5061.5 5530.2,5061.5 5530.2,4941.3 5836.5,4941.3 ; 5838.54,4934.13 5839.8,4932.87 ; 5969.84,5337.52 5969.84,5205.39 6398.31,5205.39 ; 5973.46,5341.14 6398.03,5341.14 6398.03,5205.67 ; 6181.57,1543.66 6181.57,1428.35 6604.53,1428.35 ; 6182.17,1543.07 6605.12,1543.07 6605.12,1428.94 ; 6526.69,1360.28 6127.36,1360.28 6127.36,1249.37 6529.13,1249.37 6529.13,1362.72 ; 3217.72,4326.14 3217.72,5120.94 3362.13,5120.94 3362.13,4326.14 3217.72,4326.14 ; 4115.04,553.98 4115.04,1178.58 4285.63,1178.58 4290.51,1173.7 4290.51,553.98 4115.04,553.98
  text "PWR: 5.5v 2.3A" at 294.76,5300.55 h35
  text "CDCE_PRI_IN" at 3480.55,5289.41 h35
  text "P9: CDCE PD" at 5999.53,5285 h35
  text "1-2 CDCE ON" at 5999.53,5230.32 h35
  text "1-2 FOR DIV2 BOTH DACS" at 3242.26,5089.9 h35 r270.09
  text "P8: SET CDCE" at 4289.09,5085.39 h35
  text "P13-15: OSTR CLK_DIV" at 3305.75,5045.39 h35 r270
  text "PRI_N TO 1.65v" at 4257.44,5029.3 h35
  text "D1- CDCE" at 5553.66,5011.22 h35
  text "2-3" at 4440.39,4977.91 h35
  text "LOCK LED" at 5549.76,4960.75 h35
  text "P1- MultiTone HW" at 2756.5,3861.22 h40
  text "P2-CDCE SEC" at 3390.2,3660.75 h35
  text "SEC STBY" at 3461.65,3588.58 h35
  text "P3-DAC1" at 2382.87,3337.52 h40
  text "TXENABLE:" at 2342.36,3271.65 h40
  text "2-3" at 2448.31,3210.83 h40
  text "P6-DAC2" at 7953.07,3097.48 h35
  text "SLEEP:" at 7985.12,3040.67 h35
  text "2-3" at 8021.73,2986.34 h35
  text "P5-DAC2" at 6669.37,2230.91 h35
  text "TXENABLE:" at 6640.67,2173.5 h35
  text "2-3" at 6733.15,2116.81 h35
  text "P4-DAC1" at 3222.83,1917.09 h35
  text "SLEEP:" at 3241.57,1863.19 h35
  text "2-3" at 3282.56,1811.65 h35
  text "P16:ADC PWDN" at 6195.55,1493.39 h35
  text "2-3 ADC ON" at 6227.48,1441.3 h35
  text "P17:ADC OEB" at 6145.2,1309.92 h35
  text "2-3 OUT ENA" at 6138.82,1261.85 h35
  text "P11/12:ADC CHAN1/2" at 4241.34,1160.64 h35 r269.58
  text "INPUT PD: 2-3 FOR" at 4183.54,1145.08 h35 r270
  text "INPUT ON" at 4129.37,998.15 h35 r270
  text "DAC1: CH_D" at 281.14,246.07 h35
  text "DAC1: CH_C" at 1224.37,239.65 h35
  text "DAC2: CH_D" at 6781.69,235.72 h35
  text "DAC1: CH_A" at 3126.61,234.22 h35
  text "DAC1: CH_B" at 2185.72,230.61 h35
  text "DAC2: CH_C" at 7724.92,229.3 h35
  text "DAC2: CH_A" at 9627.16,223.88 h35
  text "DAC2: CH_B" at 8686.27,220.26 h35
  text "ADC: IN1" at 4143.5,178.94 h35
  text "ADC: IN2" at 4998.74,157.2 h35
  text "SILK CS" at 1214.96,-1179.13 h63
Bottom Overlay:
  text "SILK PS" at 1216.14,-1179.13 h63
Top Paste:
  text "PASTE CS" at 1215.25,-1178.94 h63
Bottom Paste:
  text "PASTE PS" at 1214.96,-1177.95 h63
Top Solder:
  text "SOLDERMASK CS" at 1214.57,-1178.35 h63
Bottom Solder:
  the board outline again, w15
  text "SOLDERMASK PS" at 1214.96,-1179.53 h63
Top Assembly top/Assembly Bot:
  text "ASSEMBLY TOP" at 1214.17,-1175.59 h63
Bottom Assembly top/Assembly Bot:
  text "ASSEMBLY BOT" at 1214.96,-1175.2 h63
Board:
  the board outline again, w2
LOGO:
  drawing of 7037 lines, arcs and shapes, not listed
  text "PROJ :" at 870.22,-806.81 h63
  text "DAC SOURCES" at 1216.22,-806.81 h63
  text "BY   :" at 870.22,-931.81 h63
  text "REV  :" at 870.22,-1056.81 h63
  text "A" at 1221.22,-1061.81 h63
  text "LAYER:" at 871.22,-1173.81 h63
  text "19/01/2026" at 1221.22,-1306.81 h63
  text "DATE :" at 875.22,-1311.81 h63
Drill Drawing:
  drawing of 344 lines, arcs and shapes, not listed
  text "4" at 1030.05,12275.09 h250
  text "3" at 6430.05,12275.09 h250
  text "2" at 12030.06,12275.09 h250
  text "REVISIONS" at 15930.06,11875.08 h100
  text "REV" at 13530.06,11575.08 h100
  text "DESCRIPTION" at 15330.06,11575.08 h100
  text "DATE" at 18230.06,11575.08 h100
  text "APPROVED" at 19030.06,11575.08 h100
  text "INITIAL RELEASE" at 15082.23,11286.69 h100
  text "28/09/24" at 18092.13,11272.05 h100
  text "A" at 13567.92,11227.8 h200
  text "D" at -1369.95,10475.08 h250
  text "D" at 20130.06,10475.08 h250
  text "INSTRUCTIONS:" at 11014.84,9894.63 h150
  text "1. PCB 8 LAYERS, 1.6MM Er=3.8, TG-180" at 11352.91,9486.85 h150
  text "1.6MM 8 LAYERS STACK UP:" at 3617.87,9387.95 h150
  text "2. WHITE SILKSCREEN, GREEN SOLDER MASK." at 11352.91,9247.78 h150
  text "Layer" at 3640.66,9068.66 h60
  text "Name" at 4050.57,9068.66 h60
  text "Material" at 4980.32,9068.66 h60
  text "Thickness" at 5840.09,9068.66 h60
  text "Constant" at 6489.92,9068.66 h60
  text "3. CONTROLLED IMPEDANCE ABOVE:" at 11352.91,8997.01 h150
  text "Top Overlay" at 4050.57,8948.66 h60
  text "Top Solder" at 4050.57,8828.66 h60
  text "Solder Resist" at 4980.32,8828.66 h60
  text "0.40mil" at 5840.09,8828.66 h60
  text "3.5" at 6489.92,8828.66 h60
  text "100 OHM DIFFERENTIAL:" at 11791.1,8748.19 h150
  text "1" at 3640.66,8708.66 h60
  text "Top Layer" at 4050.57,8708.66 h60
  text "1.40mil" at 5840.09,8708.66 h60
  text "Dielectric 2" at 4050.57,8588.66 h60
  text "PP-006" at 4980.32,8588.66 h60
  text "4.00mil" at 5840.09,8588.66 h60
  text "3.8" at 6489.92,8588.66 h60
  text "L1,L8 - WIDTH 5MIL SPACING 4 MIL" at 11807.34,8539.99 h150
  text "2" at 3640.66,8468.66 h60
  text "GND_02" at 4050.57,8468.66 h60
  text "CF-004" at 4980.32,8468.66 h60
  text "1.38mil" at 5840.09,8468.66 h60
  text "Dielectric 4" at 4050.57,8348.66 h60
  text "PP-006" at 4980.32,8348.66 h60
  text "5.00mil" at 5840.09,8348.66 h60
  text "3.8" at 6489.92,8348.66 h60
  text "L3,L6 - WIDTH 4MIL SPACING 5 MIL" at 11810.62,8297.7 h150
  text "3" at 3640.66,8228.66 h60
  text "SIG_03" at 4050.57,8228.66 h60
  text "CF-004" at 4980.32,8228.66 h60
  text "0.69mil" at 5840.09,8228.66 h60
  text "Dielectric 6" at 4050.57,8108.66 h60
  text "PP-006" at 4980.32,8108.66 h60
  text "10.00mil" at 5840.09,8108.66 h60
  text "3.8" at 6489.92,8108.66 h60
  text "50 OHM SINGLE ENDED:" at 11811.97,8033.62 h150
  text "4" at 3640.66,7988.66 h60
  text "PWR_04" at 4050.57,7988.66 h60
  text "CF-004" at 4980.32,7988.66 h60
  text "1.38mil" at 5840.09,7988.66 h60
  text "Dielectric 1" at 4050.57,7868.66 h60
  text "FR-4" at 4980.32,7868.66 h60
  text "18.00mil" at 5840.09,7868.66 h60
  text "3.8" at 6489.92,7868.66 h60
  text "L1,L8 - WIDTH 7.5MIL." at 11841.7,7816.44 h150
  text "5" at 3640.66,7748.66 h60
  text "PWR_05" at 4050.57,7748.66 h60
  text "CF-004" at 4980.32,7748.66 h60
  text "1.38mil" at 5840.09,7748.66 h60
  text "Dielectric 7" at 4050.57,7628.66 h60
  text "PP-006" at 4980.32,7628.66 h60
  text "10.00mil" at 5840.09,7628.66 h60
  text "3.8" at 6489.92,7628.66 h60
  text "L3,L6 - WIDTH 6MIL." at 11844.98,7574.15 h150
  text "6" at 3640.66,7508.66 h60
  text "SIG_06" at 4050.57,7508.66 h60
  text "CF-004" at 4980.32,7508.66 h60
  text "0.69mil" at 5840.09,7508.66 h60
  text "Dielectric 5" at 4050.57,7388.66 h60
  text "PP-006" at 4980.32,7388.66 h60
  text "5.00mil" at 5840.09,7388.66 h60
  text "3.8" at 6489.92,7388.66 h60
  text "4. PCB FABRICATION UNDER IPC-6012." at 11352.91,7303.41 h150
  text "7" at 3640.66,7268.66 h60
  text "GND_07" at 4050.57,7268.66 h60
  text "CF-004" at 4980.32,7268.66 h60
  text "1.38mil" at 5840.09,7268.66 h60
  text "Dielectric 3" at 4050.57,7148.66 h60
  text "PP-006" at 4980.32,7148.66 h60
  text "4.00mil" at 5840.09,7148.66 h60
  text "3.8" at 6489.92,7148.66 h60
  text "8" at 3640.66,7028.66 h60
  text "Bottom Layer" at 4050.57,7028.66 h60
  text "1.40mil" at 5840.09,7028.66 h60
  text "5. HOLE TOLERANCE: +2/-2 MIL FOR HOLES UP TO 40MIL" at 11352.91,7015.12 h150
  text "Bottom Solder" at 4050.57,6908.66 h60
  text "Solder Resist" at 4980.32,6908.66 h60
  text "0.40mil" at 5840.09,6908.66 h60
  text "3.5" at 6489.92,6908.66 h60
  text "Bottom Overlay" at 4050.57,6788.66 h60
  text "FROM 40MIL +3/-3 MIL TOLERANCE." at 11787.17,6770.63 h150
  text "4. PCB FABRICATION UNDER IPC-6012." at 11352.91,6537.76 h150
  text "5. FINISHING -  ENIG  0.04-0.10um OF GOLD OVER A MINIMUM OF" at 11352.91,6311.16 h150
  text "3-6um OF NICKEL PER IPC-4552" at 11782.83,6097.8 h150
  text "C" at 20030.06,5975.08 h250
  text "6. PCB IS ROHS COMPATIBLE." at 11352.91,5871.78 h150
  text "C" at -1369.95,5675.08 h250
  text "7. ELECTRICAL TEST IS REQUIRED BY IPC-D-356 NETLIST." at 11352.91,5600.71 h150
  text "DRILL TABLE:" at 12030.87,4191.89 h150
  text "Symbol" at 12051.54,3973.62 h72
  text "Count" at 12557.42,3973.62 h72
  text "Hole Size" at 13217.24,3973.62 h72
  text "Plated" at 14366.9,3973.62 h72
  text "Hole Type" at 14872.78,3973.62 h72
  text "Drill Layer Pair" at 15606.58,3973.62 h72
  text "Via/Pad" at 17106.13,3973.62 h72
  text "Pad Shape" at 17695.98,3973.62 h72
  text "1" at 12557.42,3823.62 h60
  text "3.556mm (140.00mil)" at 13217.24,3823.62 h60
  text "PTH" at 14366.9,3823.62 h60
  text "Round" at 14872.78,3823.62 h60
  text "Top Layer - Bottom Layer" at 15606.58,3823.62 h60
  text "Pad" at 17106.13,3823.62 h60
  text "Rounded" at 17695.98,3823.62 h60
  text "2" at 12557.42,3673.62 h60
  text "0.800mm (31.50mil)" at 13217.24,3673.62 h60
  text "NPTH" at 14366.9,3673.62 h60
  text "Round" at 14872.78,3673.62 h60
  text "Top Layer - Bottom Layer" at 15606.58,3673.62 h60
  text "Pad" at 17106.13,3673.62 h60
  text "Rounded" at 17695.98,3673.62 h60
  text "A" at 12022.45,3663.63 h66.67
  text "2" at 12557.42,3523.62 h60
  text "1.000mm (39.37mil)" at 13217.24,3523.62 h60
  text "PTH" at 14366.9,3523.62 h60
  text "Round" at 14872.78,3523.62 h60
  text "Top Layer - Bottom Layer" at 15606.58,3523.62 h60
  text "Via" at 17106.13,3523.62 h60
  text "Rounded" at 17695.98,3523.62 h60
  text "2" at 12557.42,3373.62 h60
  text "1.200mm (47.24mil)" at 13217.24,3373.62 h60
  text "NPTH" at 14366.9,3373.62 h60
  text "Round" at 14872.78,3373.62 h60
  text "Top Layer - Bottom Layer" at 15606.58,3373.62 h60
  text "Pad" at 17106.13,3373.62 h60
  text "Rounded" at 17695.98,3373.62 h60
  text "2" at 12557.42,3223.62 h60
  text "3.048mm (120.00mil)" at 13217.24,3223.62 h60
  text "PTH" at 14366.9,3223.62 h60
  text "Round" at 14872.78,3223.62 h60
  text "Top Layer - Bottom Layer" at 15606.58,3223.62 h60
  text "Pad" at 17106.13,3223.62 h60
  text "Rounded" at 17695.98,3223.62 h60
  text "4" at 12557.42,3073.62 h60
  text "1.600mm (62.99mil)" at 13217.24,3073.62 h60
  text "PTH" at 14366.9,3073.62 h60
  text "Round" at 14872.78,3073.62 h60
  text "Top Layer - Bottom Layer" at 15606.58,3073.62 h60
  text "Pad" at 17106.13,3073.62 h60
  text "Rounded" at 17695.98,3073.62 h60
  text "4" at 12557.42,2923.62 h60
  text "2.500mm (98.43mil)" at 13217.24,2923.62 h60
  text "PTH" at 14366.9,2923.62 h60
  text "Round" at 14872.78,2923.62 h60
  text "Top Layer - Bottom Layer" at 15606.58,2923.62 h60
  text "Pad" at 17106.13,2923.62 h60
  text "Rounded" at 17695.98,2923.62 h60
  text "49" at 12557.42,2773.62 h60
  text "0.305mm (12.00mil)" at 13217.24,2773.62 h60
  text "PTH" at 14366.9,2773.62 h60
  text "Round" at 14872.78,2773.62 h60
  text "Top Layer - Bottom Layer" at 15606.58,2773.62 h60
  text "Via" at 17106.13,2773.62 h60
  text "Rounded" at 17695.98,2773.62 h60
  text "54" at 12557.42,2623.62 h60
  text "0.200mm (7.87mil)" at 13217.24,2623.62 h60
  text "PTH" at 14366.9,2623.62 h60
  text "Round" at 14872.78,2623.62 h60
  text "Top Layer - Bottom Layer" at 15606.58,2623.62 h60
  text "Pad" at 17106.13,2623.62 h60
  text "Rounded" at 17695.98,2623.62 h60
  text "63" at 12557.42,2473.62 h60
  text "0.300mm (11.81mil)" at 13217.24,2473.62 h60
  text "PTH" at 14366.9,2473.62 h60
  text "Round" at 14872.78,2473.62 h60
  text "Top Layer - Bottom Layer" at 15606.58,2473.62 h60
  text "Via" at 17106.13,2473.62 h60
  text "Rounded" at 17695.98,2473.62 h60
  text "65" at 12557.42,2323.62 h60
  text "0.152mm (6.00mil)" at 13217.24,2323.62 h60
  text "PTH" at 14366.9,2323.62 h60
  text "Round" at 14872.78,2323.62 h60
  text "Top Layer - Bottom Layer" at 15606.58,2323.62 h60
  text "Via" at 17106.13,2323.62 h60
  text "Rounded" at 17695.98,2323.62 h60
  text "65" at 12557.42,2173.62 h60
  text "1.549mm (61.00mil)" at 13217.24,2173.62 h60
  text "PTH" at 14366.9,2173.62 h60
  text "Round" at 14872.78,2173.62 h60
  text "Top Layer - Bottom Layer" at 15606.58,2173.62 h60
  text "Pad" at 17106.13,2173.62 h60
  text "Rounded" at 17695.98,2173.62 h60
  text "69" at 12557.42,2023.62 h60
  text "1.016mm (40.00mil)" at 13217.24,2023.62 h60
  text "PTH" at 14366.9,2023.62 h60
  text "Round" at 14872.78,2023.62 h60
  text "Top Layer - Bottom Layer" at 15606.58,2023.62 h60
  text "Pad" at 17106.13,2023.62 h60
  text "(Mixed)" at 17695.98,2023.62 h60
  text "B" at 20130.06,1875.08 h250
  text "509" at 12557.42,1873.62 h60
  text "0.254mm (10.00mil)" at 13217.24,1873.62 h60
  text "PTH" at 14366.9,1873.62 h60
  text "Round" at 14872.78,1873.62 h60
  text "Top Layer - Bottom Layer" at 15606.58,1873.62 h60
  text "Via" at 17106.13,1873.62 h60
  text "Rounded" at 17695.98,1873.62 h60
  text "1452" at 12557.42,1723.62 h60
  text "0.203mm (8.00mil)" at 13217.24,1723.62 h60
  text "PTH" at 14366.9,1723.62 h60
  text "Round" at 14872.78,1723.62 h60
  text "Top Layer - Bottom Layer" at 15606.58,1723.62 h60
  text "Via" at 17106.13,1723.62 h60
  text "Rounded" at 17695.98,1723.62 h60
  text "B" at -1369.95,1675.08 h250
  text "2343 Total" at 12557.42,1573.62 h60
  text "UNLESS OTHERWISE SPECIFIED" at 10080.05,-1124.92 h75
  text "SIGNATURES" at 12880.06,-1124.92 h75
  text "DATE" at 14430.06,-1124.92 h75
  text "DRILL DRAWING" at 1214.96,-1176.38 h63
  text "DIMENSIONS ARE IN MILIMETERS" at 10080.05,-1374.92 h75
  text "MA'AGALIM" at 13286.72,-1414.92 h100
  text "DRAWN" at 12530.06,-1424.92 h75
  text "28/09/24" at 14265.39,-1426.92 h80
  text "WEIZMANN" at 16605.91,-1477.56 h250
  text "TOLERANCES ON;" at 10080.05,-1574.92 h75
  text "CHECKED" at 12530.06,-1724.92 h75
  text "2 PL DECIMALS +" at 10080.05,-1774.92 h75
  text "A" at 20130.06,-1824.92 h250
  text "A" at -1369.95,-1924.92 h250
  text "3 PL DECIMALS +" at 10080.05,-1974.92 h75
  text "ENGRG" at 12530.06,-2024.92 h75
  text "TITLE:" at 15763.39,-2124.92 h200
  text "ANGLES +" at 10080.05,-2174.92 h75
  text "DAC-SOURCES" at 17363.39,-2174.92 h200
  text "ISSUED" at 12530.06,-2324.92 h75
  text "FRACTIONS +" at 10080.05,-2374.92 h75
  text "DRILLING INFORMATION FOR P.C. BOARD" at 15230.06,-2568.92 h125
  text "MA'AGALIM LTD." at 9958.05,-2739.92 h156
  text "SIZE" at 15030.06,-2874.92 h75
  text "FSCM NO" at 15530.06,-2874.92 h75
  text "DWG NO" at 16530.06,-2874.92 h75
  text "REV" at 19456.73,-2904.92 h100
  text "22 Maskit St." at 10358.05,-3024.92 h100
  text "A" at 17663.39,-3024.92 h200
  text "C" at 15115.39,-3132.92 h200
  text "A" at 19423.39,-3156.92 h200
  text "Herzelia Pituach" at 10158.05,-3224.92 h100
  text "SCALE" at 14980.06,-3374.92 h75
  text "Israel" at 10558.05,-3424.92 h100
  text "SHEET 1 OF 1" at 18398.06,-3432.92 h100
  text "1:1" at 15422.06,-3444.92 h100
  text "4" at 1030.05,-4024.92 h250
  text "3" at 6430.05,-4024.92 h250
  text "2" at 12330.06,-4024.92 h250

## Dimensions
0,0 to -92.13,-188.98 on Drill Drawing
10905.51,0 to 10905.51,5393.7 on Drill Drawing
0,5393.7 to 10905.51,5393.7 on Drill Drawing

## Text inside footprints (layer, text, board x,y; h text height)
J1: Top Assembly top/Assembly Bot "1" at 6447.6,3524.25 h78.74 r90; Top Assembly top/Assembly Bot "2" at 6282.6,3524.2 h78.74 r90; Top Assembly top/Assembly Bot "99" at 6441.78,1999.25 h78.74 r90; Top Assembly top/Assembly Bot "100" at 6276.78,2019.25 h78.74 r90; Top Overlay "1" at 6477.76,3574.72 h78.74; Top Overlay "2" at 6147.7,3574.72 h78.74; Top Overlay "99" at 6475.98,1969.72 h78.74; Top Overlay "100" at 6079.53,1970.9 h78.74
J2: Top Assembly top/Assembly Bot "1" at 4690.16,3571.26 h78.74 r90; Top Assembly top/Assembly Bot "2" at 4524.02,3562.54 h78.74 r90; Top Assembly top/Assembly Bot "99" at 4691.78,1999.25 h78.74 r90; Top Assembly top/Assembly Bot "100" at 4521.23,1976.38 h78.74 r90; Top Overlay "1" at 4727.76,3574.72 h78.74; Top Overlay "2" at 4404.87,3619.29 h78.74; Top Overlay "99" at 4768.47,1948.43 h78.74 r90; Top Overlay "100" at 4433.43,1938.98 h78.74 r90
J3: Top Assembly top/Assembly Bot "PCB EDGE" at 5156.24,5340.98 h78.74; Top Assembly top/Assembly Bot "1" at 5354.72,5211.81 h78.74 r90
J6: Top Assembly top/Assembly Bot "1" at 332.52,4857.09 h78.74 r90; Top Assembly top/Assembly Bot "3" at 575.74,4900 h78.74 r90; Top Assembly top/Assembly Bot "2" at 449.45,4756.64 h78.74 r90; Top Assembly top/Assembly Bot "PCB EDGE" at -7.28,4748.03 h78.74 r90; Top Overlay "3" at 618.5,4818.2 h78.74; Top Overlay "2" at 547.48,4697.58 h78.74 r90; Top Overlay "1" at 261.26,4714.96 h78.74 r90
J25: Top Assembly top/Assembly Bot "1" at 6158.27,4761.81 h78.74; Top Overlay "1" at 6259.45,4780.32 h78.74 r90
P1: Top Assembly top/Assembly Bot "19" at 3210.24,4073.26 h78.74; Top Assembly top/Assembly Bot "20" at 3206.64,3968.93 h78.74; Top Assembly top/Assembly Bot "1" at 2336.61,4072.44 h78.74; Top Overlay "20" at 3309.39,3972.87 h78.74; Top Overlay "19" at 3313.78,4071.69 h78.74; Top Overlay "1" at 2368.11,4161.02 h78.74 r90
P2: Top Assembly top/Assembly Bot "1" at 3871.26,3575.98 h78.74 r90; Top Overlay "1" at 3872.83,3509.45 h78.74 r90
P3: Top Assembly top/Assembly Bot "1" at 2973.62,3294.88 h78.74; Top Overlay "1" at 3051.97,3295.28 h78.74
P4: Top Assembly top/Assembly Bot "1" at 3217.32,2114.17 h78.74; Top Overlay "1" at 3296.73,2121.42 h78.74
P5: Top Assembly top/Assembly Bot "1" at 7305.51,2325.2 h78.74 r90; Top Overlay "1" at 7301.97,2394.88 h78.74 r90
P6: Top Assembly top/Assembly Bot "1" at 7858.66,3146.06 h78.74 r90; Top Overlay "1" at 7861.02,3214.17 h78.74 r90
P8: Top Assembly top/Assembly Bot "1" at 4136.61,4779.92 h78.74; Top Overlay "1" at 4213.39,4770.87 h78.74
P9: Top Assembly top/Assembly Bot "1" at 6668.11,5055.12 h78.74; Top Overlay "1" at 6667.72,5142.52 h78.74
P10: Top Assembly top/Assembly Bot "7" at 6003.54,92.91 h78.74; Top Assembly top/Assembly Bot "8" at 6000.39,196.49 h78.74; Top Assembly top/Assembly Bot "1" at 6303.15,96.06 h78.74; Top Overlay "8" at 5920.47,195.7 h78.74; Top Overlay "7" at 5921.65,92.52 h78.74; Top Overlay "1" at 6387.01,96.85 h78.74
P11: Top Assembly top/Assembly Bot "1" at 4364.96,698.82 h78.74 r270; Top Overlay "1" at 4500.67,673.39 h78.74 r90
P12: Top Assembly top/Assembly Bot "1" at 4414.57,796.06 h78.74 r90; Top Overlay "1" at 4501.65,783.19 h78.74 r90
P13: Top Assembly top/Assembly Bot "1" at 2729.92,5137.8 h78.74; Top Overlay "1" at 2750.79,5222.83 h78.74 r90
P14: Top Assembly top/Assembly Bot "1" at 2736.22,4805.51 h78.74; Top Overlay "1" at 2745.67,4892.13 h78.74 r90
P15: Top Assembly top/Assembly Bot "1" at 2888.98,4475.2 h78.74; Top Overlay "1" at 2964.57,4474.41 h78.74